# Allegro board SSOM_K1_Layout.brd (continued)
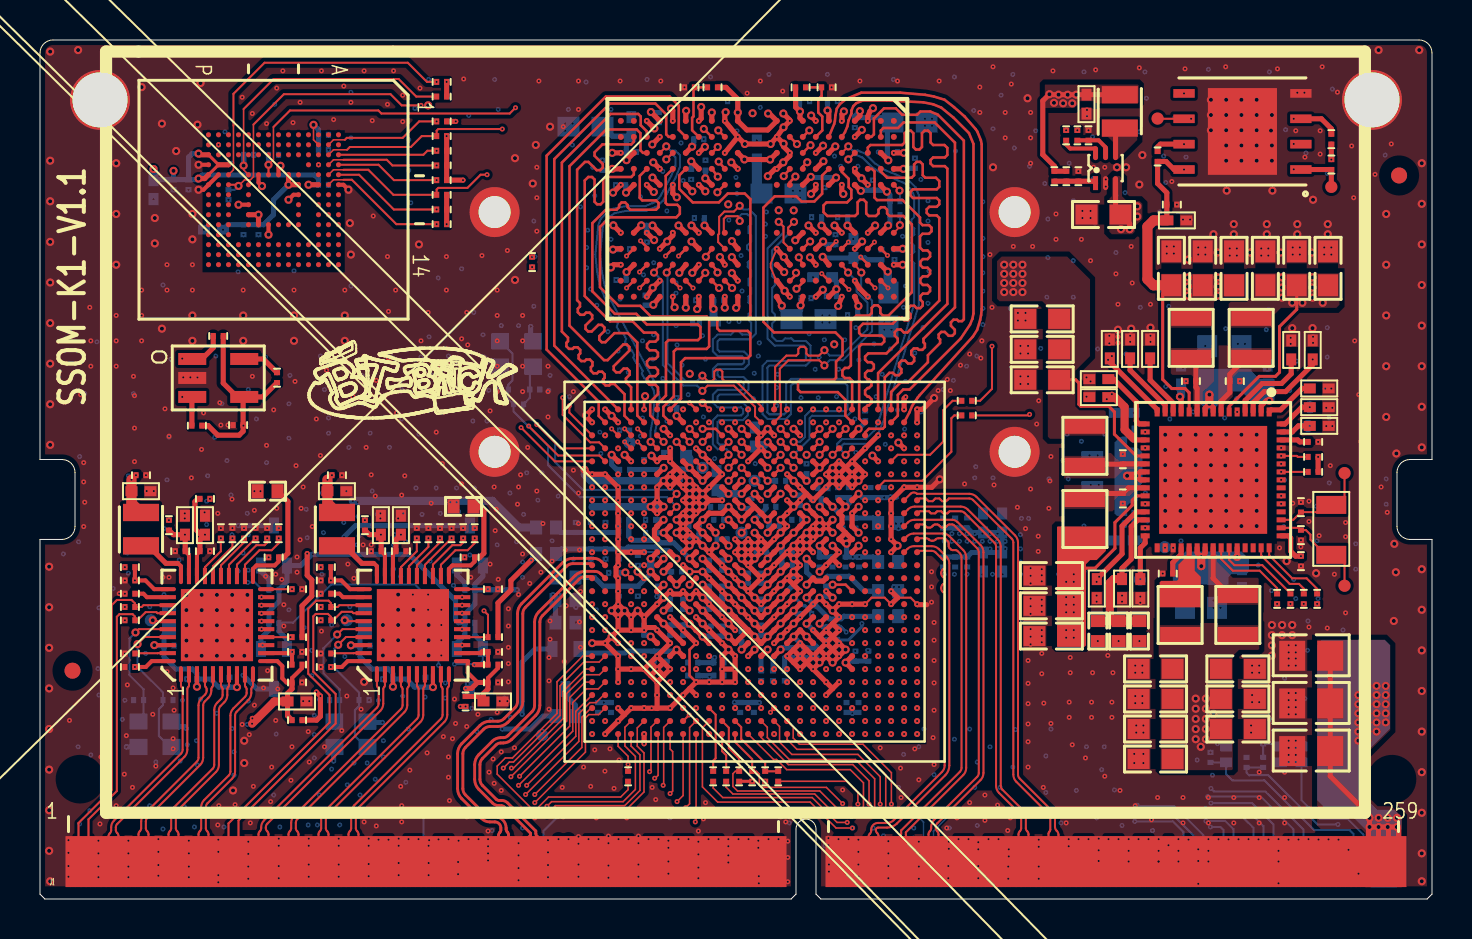
[diagram p0: board, top side]
## Routing (per net, layer and track width the routed paths; a pad name or vN(x,y) marks a point on that pad's centre or on a via; arc(x,y) is an arc through that point) (continued)
PHY1_MDI2+: length 10.4
  TOP w0.102: U11.6 9.05,10.7 arc(9.06,10.65) 9.08,10.61 9.1,10.6 arc(9.12,10.56) 9.13,10.52 9.13,10.21 arc(9.11,10.11) 9.05,10.02 8.86,9.83 arc(8.75,9.66) 8.71,9.47 8.71,6.72 arc(8.69,6.61) 8.63,6.52 6.71,4.6 arc(6.6,4.43) 6.56,4.24 6.56,3.55 arc(6.54,3.47) 6.5,3.4 6.48,3.39 arc(6.44,3.32) 6.42,3.24 J1.21
PHY1_MDI2-: length 10.4
  TOP w0.102: U11.7 9.45,10.7 arc(9.44,10.65) 9.41,10.61 9.4,10.6 arc(9.37,10.56) 9.36,10.52 9.36,10.21 arc(9.33,10.02) 9.22,9.85 9.03,9.66 arc(8.97,9.57) 8.95,9.47 8.95,6.72 arc(8.91,6.52) 8.8,6.36 6.87,4.43 arc(6.81,4.34) 6.79,4.24 6.79,3.55 arc(6.81,3.47) 6.85,3.4 6.87,3.39 arc(6.91,3.32) 6.93,3.24 J1.23
PHY1_MDI3+: length 10.3
  TOP w0.102: U11.9 10.25,10.7 arc(10.26,10.65) 10.28,10.61 10.3,10.6 arc(10.32,10.56) 10.33,10.52 10.33,10.32 arc(10.31,10.21) 10.25,10.12 9.67,9.54 arc(9.56,9.38) 9.52,9.18 9.52,6.38 arc(9.5,6.28) 9.44,6.19 8.21,4.96 arc(8.1,4.79) 8.06,4.6 8.06,3.54 arc(8.04,3.47) 8,3.4 7.98,3.39 arc(7.94,3.32) 7.93,3.24 J1.27
PHY1_MDI3-: length 10.3
  TOP w0.102: U11.10 10.65,10.7 arc(10.64,10.65) 10.61,10.61 10.6,10.6 arc(10.57,10.56) 10.57,10.52 10.57,10.32 arc(10.53,10.12) 10.42,9.96 9.83,9.38 arc(9.77,9.29) 9.75,9.18 9.75,6.38 arc(9.71,6.19) 9.6,6.02 8.37,4.79 arc(8.31,4.7) 8.29,4.6 8.29,3.54 arc(8.31,3.47) 8.35,3.4 8.37,3.39 arc(8.41,3.32) 8.42,3.24 J1.29
PHY1_NINT_3V3: length 5.6
  TOP w0.203: U11.31 5.71,15.51 5.27,15.95 v1(4.74,15.95) R176.2
  L3 w0.406: v1(4.74,15.95) 4.8,16 v2(4.8,16.81)
  L6 w0.254: v4(9.91,18.69) 9.65,18.69 v2(9.55,18.79)
  BOTTOM w0.254: Q12.3 v4(9.91,18.69)
PHY1_NRST_3V3: length 7
  TOP w0.203: U11.12 12.54,12.31 v7(12.6,12.37) R172.2
  L2 w0.254: v8(10.67,12.12) 12.35,12.12 v7(12.6,12.37)
  L3 w0.254: v2(10.16,11.56) 10.24,11.56 10.67,11.99 v8(10.67,12.12)
  L6 w0.254: v4(10.16,11.2) v2(10.16,11.56)
  BOTTOM w0.254: Q11.3 10.85,10.52 v4(10.16,11.2)
PHY1_REG_OUT: length 2.9
  TOP w0.203: U11.30 7.05,16.66 6.91,16.8 6.87,16.8
  TOP w0.254: 6.87,16.8 6.3,16.8 5.42,17.68 L11.1
PHY1_RSET: length 1.7
  TOP w0.102: U11.39 5.89,12.31 5.88,12.3 4.76,12.3 R164.2
PHY1_VDD1V0: length 4.2
  TOP w0.254: v1(4.8,21.22) v1(4.57,20.99)
  TOP w0.508: L11.2 4.57,19.83 C259.1 v1(4.57,20.99)
  L3 w0.254: v1(4.57,20.99) v1(4.8,21.22) v2(5.2,21.22) ; v2(10.17,20.41) v1(10.72,20.41) v1(11.02,20.41)
  L6 w0.254: v4(6.45,14.5) v2(6.02,14.5)
PHY1_VDDIO: length 9.4
  TOP w0.203: C258.2 7.85,17.26 U11.28
  TOP w0.254: R208.1 7.89,20.03 7.75,19.89 7.75,18.53 8.04,18.24 v1(8.25,18.24) 8,17.99 C258.2
  L3 w0.406: v1(11.94,18.56) 11.94,18.85 11.43,19.35 8.96,19.35 8.25,18.64 v1(8.25,18.24)
PHY1_XTALIN: length 6.7
  TOP w0.102: v5(4.78,13.34) 4.94,13.51 U11.36
  BOTTOM w0.102: v5(4.78,13.34) 4.47,13.04 4.47,11.21 5.18,10.5 C253.2 5.18,9.14 Y4.3
PHY1_XTALOUT: length 7.7
  TOP w0.102: v5(4.88,12.76) 5.23,13.12 6.38,13.12 U11.37
  BOTTOM w0.102: v5(4.88,12.76) 4.88,11.62 6.15,10.34 C252.2 6.15,9.71 5.94,9.5 5.94,8.16 6.49,7.61 Y4.1
PI2C_SCL: length 44.8
  TOP w0.076: v1(39.93,4.47) 38.99,5.41 34.87,5.41 34.65,5.64 34.65,6.27 34.76,6.39 R11.1
  TOP w0.102: U1.AE11 34.44,8.57 34.44,7.55 34.96,7.04 R11.1
  L3 w0.076: v1(39.93,4.47) 39.93,4.42 v2(40.13,4.22)
  L3 w0.102: v1(63.86,14.77) v2(63.86,14.43)
  L5 w0.102: v2(63.86,14.43) 63.58,14.15 63.58,8.74 62.26,7.42 59.89,7.42 57.02,4.55 48.9,4.55 45.47,1.12 41.81,1.12 40.49,2.44 40.49,3.81 40.13,4.17 v2(40.13,4.22)
PI2C_SDA: length 42.3
  TOP w0.076: v1(40.13,4.78) 39.32,5.59 36.07,5.59 35.97,5.69 35.97,6.25 35.82,6.39 R12.1
  TOP w0.102: U1.AF12 34.76,7.86 35.61,7 R12.1
  L3 w0.076: v1(40.13,4.78) 40.28,4.78 v2(40.44,4.62)
  L3 w0.102: v1(63.19,14.77) v2(63.19,14.43)
  L5 w0.102: v2(63.19,14.43) 63.27,14.35 63.27,8.94 62,7.67 59.74,7.67 56.95,4.88 48.77,4.88 45.26,1.37 41.99,1.37 40.84,2.51 40.84,4.22 v2(40.44,4.62)
PMIC_32K_OUT: length 54.6
  TOP w0.076: R13.1 40.33,5.89 40.89,5.33 v1(40.89,4.75)
  L3 w0.076: 41.92,1.52 41.61,1.83 41.61,3.48 40.89,4.19 v1(40.89,4.75)
  L3 w0.102: v1(62.06,19.78) 62.65,20.37 65.28,20.37 65.68,19.96 65.68,14.12 64.16,12.6 64.16,5.13 64.62,4.67 64.62,3.84 65.25,3.2 65.25,2.77 64.01,1.52 41.92,1.52
PMIC_INT_N: length 3.4
  TOP w0.102: U1.AD10 33.46,9.56 33.78,9.23 33.78,7.05 33.66,6.92 R15.2
PMIC_INT_OUTN: length 61.3
  TOP w0.076: v1(40.36,3.84) 39.85,3.84 38.61,5.08 34.14,5.08 33.66,5.56 R15.1
  TOP w0.102: v1(62.06,21.38) R73.1
  L3 w0.076: v1(40.36,3.84) 40.74,3.84 41.25,3.33 41.25,1.58 41.71,1.12
  L3 w0.102: v1(62.06,21.38) 62.2,21.23 65.84,21.23 66.85,20.22 66.85,13.51 65.23,11.89 65.23,4.01 65.79,3.45 65.79,2.31 64.59,1.12 41.71,1.12
PMIC_RST_OUTN: length 20.1
  TOP w0.102: R74.1 62.89,22.13 62.84,22.18 v1(62.06,22.18)
  L3 w0.102: v1(62.06,22.18) v2(62.48,22.18)
  L6 w0.102: v4(61.16,7.77) 61.52,8.13 61.52,11.1 64.62,14.2 64.62,20.08 62.52,22.18 v2(62.48,22.18)
  BOTTOM w0.102: R98.2 v4(61.16,7.77) 61.92,7.77 D1.1
PRI_TRST_N: length 16.4
  TOP w0.076: U1.Y1 27.14,12.16 25.85,10.87 25.85,9.29 23.62,7.06 23.27,7.06 22.86,6.65 22.86,6.25 24.59,4.52 24.84,4.52 25.43,5.11 29.03,5.11 29.4,5.48 R18.2
QSPI_CLK: length 23.8
  TOP w0.102: TP14.1 55.89,39.05 U8.6 ; R16.2 49.43,24.21 v1(49.48,24.26)
  L3 w0.102: v1(49.48,24.26) 49.63,24.26 v2(49.8,24.42) ; v2(58.01,39.05) v1(57.56,39.05)
  L6 w0.102: v2(49.8,24.42) 49.78,24.43 49.78,25.02 58.88,34.11 58.88,37.52 58.01,38.38 v2(58.01,39.05)
QSPI_CS1: length 30.2
  TOP w0.254: U8.1 R94.1 TP15.1
  L3 w0.102: v1(62.69,36.53) 62.08,35.92 58.2,35.92 v2(58.06,36.05) ; v1(42.56,20.61) 42.86,20.91 v2(42.88,20.91)
  L6 w0.102: v2(42.88,20.91) 43.39,20.91 47.37,24.89 48.64,24.89 57.81,34.06 57.81,35.8 v2(58.06,36.05)
QSPI_DATA0: length 59.2
  L3 w0.102: v2(57.5,39.88) 57.5,40.03 v1(57.2,40.32) ; v1(43.86,21.26) v2(44.25,21.26)
  L6 w0.102: v3(44.25,20.7) v2(44.25,21.26) 47.5,24.51 48.77,24.51 58.52,34.26 58.52,37.36 57.5,38.38 v2(57.5,39.88)
  L7 w0.102: v6(65.17,3) 64.14,4.04 64.14,8.46 52.12,20.47 44.48,20.47 v3(44.25,20.7)
  BOTTOM w0.102: J1.248 v6(65.17,3)
QSPI_DATA1: length 63.4
  L3 w0.102: v1(62.69,37.8) 62.69,37.03 61.87,36.22 58.47,36.22 v2(58.06,36.63) ; v1(42.56,21.26) v2(42.29,20.99)
  L6 w0.102: v3(42.29,20.64) v2(42.29,20.99) 42.57,21.27 43.28,21.27 47.29,25.27 48.51,25.27 57.56,34.32 57.56,36.12 v2(58.06,36.63)
  L7 w0.102: v3(42.29,20.64) 42.86,20.64 43.37,20.13 52.13,20.13 63.69,8.57 63.69,3.98 v6(64.68,3)
  BOTTOM w0.102: J1.246 v6(64.68,3)
QSPI_DATA2: length 67.8
  TOP w0.254: R93.1 64.57,38.56 64.07,39.05 U8.3
  L3 w0.102: v2(58.06,37.17) 58.76,36.47 61.75,36.47 62.28,37.01 62.28,38.65 v1(62.69,39.05) ; v8(41.91,21.26) 41.71,21.06 v2(41.71,20.91)
  L6 w0.102: v2(58.06,37.17) 57.25,36.36 57.25,34.52 48.39,25.65 47.21,25.65 44.98,23.43 43.08,21.52 42.17,21.52 41.71,21.06 v2(41.71,20.91) 41.71,20.65 v3(41.78,20.57)
  L7 w0.102: v6(64.17,2.93) 63.2,3.9 63.2,8.68 52.07,19.81 42.04,19.81 41.78,20.07 v3(41.78,20.57)
  BOTTOM w0.102: J1.244 v6(64.17,2.93)
QSPI_DATA3: length 61.8
  TOP w0.254: v1(57.2,37.78) 56.02,37.78 55.88,37.64 R95.1
  L3 w0.102: v2(41.45,21.47) 41.3,21.32 41.3,20.65 v1(41.26,20.61) ; v2(56.76,37.76) 57.18,37.76 v1(57.2,37.78)
  L6 w0.102: v3(41.45,20.37) 41.3,20.52 41.3,21.32 v2(41.45,21.47) 41.76,21.78 42.88,21.78 44.7,23.61 45.31,24.21 47.13,26.04 48.26,26.04 56.76,34.54 v2(56.76,37.76)
  L7 w0.102: v3(41.45,20.37) 41.45,20.02 41.98,19.48 52.12,19.48 62.72,8.89 62.72,3.93 v6(63.68,2.97)
  BOTTOM w0.102: J1.242 v6(63.68,2.97)
R_I2C0_SCL_3V3: length 21.8
  TOP w0.076: U1.AF13 36.68,6.99 36.83,6.99 37.34,6.48 40.51,6.48 41.17,5.82 v1(41.17,4.45)
  L3 w0.076: 42.04,1.73 41.78,1.98 41.78,3.56 41.17,4.17 v1(41.17,4.45)
  L3 w0.102: v2(52.17,1.93) 51.97,1.73 42.04,1.73
  L6 w0.102: v4(52.17,2.29) v2(52.17,1.93)
R_I2C0_SDA_3V3: length 23.7
  L3 w0.076: v8(34.76,9.56) 34.77,9.55 34.77,8.29 37.31,5.74 43.18,5.74 43.89,5.03 43.89,4.29 v2(44.4,3.78)
  L6 w0.076: v2(44.4,3.78) 44.55,3.63 44.55,2.62 45.42,1.75 50.04,1.75 50.93,2.64 52.37,2.64 52.68,2.34 v4(52.68,2.08)
RESET_IN_N: length 53
  TOP w0.076: R18.1 v1(29.4,6.74) 29.4,7.15 28.91,7.65 U1.AF3
  TOP w0.102: J1.251 v1(65.92,1.27)
  L3 w0.102: v1(29.4,6.74) 29.54,6.6 v2(29.72,6.6) ; v2(65.92,1.63) v1(65.92,1.27)
  L5 w0.102: v2(29.72,6.6) 30.48,6.6 32.31,4.78 38.86,4.78 40.13,3.51 40.13,2.24 41.5,0.86 45.8,0.86 46.91,1.98 48.84,1.98 49.68,1.14 65.44,1.14 v2(65.92,1.63)
  L6 w0.102: v4(64.9,3.73) 64.9,2.65 v2(65.92,1.63)
  BOTTOM w0.102: v4(64.9,3.73) 63.88,3.73 61.42,6.2 60.45,6.2 60.33,6.32 C226.2 R98.1
SD0_CD_3V3: length 13.1
  TOP w0.076: v1(42.29,4.5) 42.29,6.23 41.02,7.49 37.85,7.49 37.36,7.98 U1.AF16
  L3 w0.076: v2(43.23,2.16) 43.23,2.77 42.55,3.45 42.55,3.89 42.29,4.15 v1(42.29,4.5)
  L6 w0.076: v4(41.66,1.27) 41.78,1.4 42.8,1.4 43.23,1.83 v2(43.23,2.16)
  BOTTOM w0.076: J1.154 41.68,1.32 v4(41.66,1.27)
SD0_CLK: length 13.3
  TOP w0.076: U1.AE14 36.37,8.6 36.37,8.08 37.47,6.99 40.77,6.99 41.73,6.02 v1(41.73,4.45)
  L3 w0.076: v2(42.49,2.13) 42.49,2.77 42.14,3.12 42.14,3.68 41.73,4.09 v1(41.73,4.45)
  L6 w0.076: v4(40.68,1.88) 40.71,1.91 42.27,1.91 v2(42.49,2.13)
SD0_CMD: length 17.4
  L3 w0.076: v2(45.29,5.59) 45.26,5.61 45.03,5.61 43.82,6.83 37.7,6.83 36.31,8.21 36.31,9.15 36.06,9.41 v1(36.06,9.56)
  L6 w0.076: v2(45.29,5.59) 45.26,5.56 43.41,5.56 42.68,4.83 v4(42.68,3.02)
  BOTTOM w0.076: J1.158 v4(42.68,3.02)
SD0_DATA0: length 19.2
  L3 w0.076: v2(45.31,5.03) 43.71,6.63 37.64,6.63 36.16,8.11 36.16,9.05 35.82,9.39 35.82,10.62 v8(36.06,10.86)
  L6 w0.076: v4(43.15,3.02) 42.9,3.28 42.9,4.75 43.48,5.33 45.01,5.33 v2(45.31,5.03)
  BOTTOM w0.076: v4(43.15,3.02) 43.17,3 J1.160
SD0_DATA1: length 12.5
  TOP w0.076: U1.AF14 36.06,8.09 37.41,6.73 40.64,6.73 41.45,5.92 v1(41.45,4.75)
  L3 w0.076: v1(41.45,4.75) 41.45,4.11 41.96,3.61 41.96,2.79 v2(42.14,2.62)
  L6 w0.076: v4(40.17,1.88) 40.46,2.16 41.91,2.16 42.14,2.39 v2(42.14,2.62)
SD0_DATA2: length 20
  L3 w0.076: v1(37.36,11.51) 37.02,11.18 36.58,11.18 36.42,11.02 36.42,10.72 36.58,10.57 36.78,10.57 36.97,10.38 36.97,9.61 37.33,9.24 37.33,7.92 37.91,7.34 44.63,7.34 v2(45.31,6.65)
  L6 w0.076: v2(45.31,6.65) 44.45,5.79 43.28,5.79 42.17,4.68 v4(42.17,3.16)
  BOTTOM w0.102: J1.156 v4(42.17,3.16)
SD0_DATA3: length 13.5
  TOP w0.076: U1.AE15 36.98,8.64 36.98,7.85 37.59,7.24 40.89,7.24 42.01,6.12 v1(42.01,4.75)
  L3 w0.076: v2(42.85,2.62) 42.85,2.74 42.34,3.25 42.34,3.78 42.01,4.11 v1(42.01,4.75)
  L6 w0.076: v4(41.17,1.62) 41.2,1.65 42.62,1.65 42.85,1.88 v2(42.85,2.62)
  BOTTOM w0.076: J1.152 v4(41.17,1.62)
SDIO2_CLK: length 22.9
  TOP w0.102: J1.233 v1(61.42,2.98)
  L3 w0.102: v1(61.42,2.98) 56.53,7.87 54.51,7.87 v2(54.04,8.34) ; v1(43.21,10.86) v2(43.45,10.61)
  L6 w0.102: v2(43.45,10.61) v3(43.7,10.86) ; v2(54.04,8.34) 54.04,8.47 v3(53.85,8.66)
  L7 w0.102: v3(43.7,10.86) 43.94,10.61 51.9,10.61 v3(53.85,8.66)
SDIO2_CMD: length 24.1
  TOP w0.102: J1.231 v1(60.92,2.99)
  L3 w0.102: v1(60.92,2.99) 56.39,7.52 54.03,7.52 v2(53.29,8.26) ; v1(41.91,10.86) v2(42.15,10.61)
  L6 w0.102: v3(42.4,10.86) v2(42.15,10.61) v3(41.91,10.86) ; v2(53.29,8.26) v3(53.06,8.48)
  L7 w0.102: v3(53.06,8.48) 53.09,8.51 53.09,8.61 51.74,9.96 43.86,9.96 42.96,10.86 v3(42.4,10.86)
SDIO2_DATA0: length 20.7
  TOP w0.102: J1.223 v1(58.92,2.99)
  L3 w0.102: v1(43.86,10.21) v2(44.1,9.96) ; v2(53.8,6.02) 55.9,6.02 v1(58.92,2.99)
  L6 w0.102: v2(44.1,9.96) v3(44.35,10.21) ; v3(53.85,6.35) 53.85,6.07 v2(53.8,6.02)
  L7 w0.102: v3(53.85,6.35) 53.85,8.23 51.87,10.21 v3(44.35,10.21)
SDIO2_DATA1: length 21.7
  TOP w0.102: J1.225 v1(59.42,2.99)
  L3 w0.102: v2(51.74,8.56) 51.74,8.15 53.44,6.45 55.96,6.45 v1(59.42,2.99) ; v1(42.56,10.21) v2(42.8,9.96)
  L6 w0.102: v2(42.8,9.96) v3(43.05,10.21) ; v2(51.74,8.56) v3(51.49,8.81)
  L7 w0.102: v3(43.05,10.21) 43.05,9.8 43.88,8.97 51.33,8.97 v3(51.49,8.81)
SDIO2_DATA2: length 21.1
  TOP w0.102: J1.227 v1(59.92,2.99)
  L3 w0.102: v1(43.21,9.56) v2(43.45,9.31) ; v2(52.22,8.26) 52.22,8.1 53.52,6.81 56.11,6.81 v1(59.92,2.99)
  L6 w0.102: v2(43.45,9.31) v3(43.7,9.56) ; v2(52.22,8.26) v3(52.22,8.61)
  L7 w0.102: v3(43.7,9.56) 44.03,9.22 51.61,9.22 v3(52.22,8.61)
SDIO2_DATA3: length 20.9
  TOP w0.102: J1.229 v1(60.42,3)
  L3 w0.102: v1(43.86,9.56) v2(44.1,9.31) ; v2(52.73,8.13) 53.7,7.16 56.26,7.16 v1(60.42,3)
  L6 w0.102: v2(44.1,9.31) v3(44.35,9.56) ; v3(52.63,8.46) 52.63,8.23 v2(52.73,8.13)
  L7 w0.102: v3(44.35,9.56) 51.76,9.56 52.63,8.69 v3(52.63,8.46)
SLEEP_OUT: length 58.6
  TOP w0.076: R17.1 34.31,5.6 34.65,5.26 38.73,5.26 39.85,4.14 v1(40.56,4.14)
  TOP w0.102: J1.249 v1(65.43,2.46)
  L3 w0.076: v1(40.56,4.14) 40.72,4.14 41.43,3.43 41.43,1.69 41.79,1.32
  L3 w0.102: 41.79,1.32 64.28,1.32 v1(65.43,2.46) 65.53,2.57 65.53,3.3 64.92,3.91 64.92,12.19 66.45,13.72 66.45,20.17 65.63,20.98 v1(62.06,20.98)
SLEEP_OUT_1: length 2
  TOP w0.102: R17.2 34.31,7.2 34.11,7.4 U1.AF11
SW_PWRON: length 10.4
  BOTTOM w0.102: J1.250 65.68,3.26 65.48,3.45 63.7,3.45 61.21,5.94 59.61,5.94 59.3,6.26 D2.2 R99.2
SW_RST: length 8.1
  BOTTOM w0.102: J1.252 66.17,3.22 65.38,4.01 64.01,4.01 63.07,4.95 D3.2 D1.2
TP_INT_1V8: length 113.7
  TOP w0.102: U1.C1 26.47,24.35 v1(26.47,24.69)
  L3 w0.102: v2(21.49,28.8) 22.56,27.74 22.91,27.74 25.93,24.71 26.44,24.71 v1(26.47,24.69)
  L6 w0.102: v4(53.68,1.88) 54.39,2.59 56.64,2.59 57.05,2.18 60.81,2.18 61.42,2.79 61.42,6.2 61.75,6.53 61.75,10.95 64.92,14.12 64.92,36.58 60.81,40.69 19.15,40.69 17.88,39.42 17.88,32.41 v2(21.49,28.8)
TP_RST_1V8: length 122.4
  TOP w0.102: U1.D1 26.03,22.56 v8(24.84,23.75)
  L3 w0.102: v8(24.84,23.75) 22.94,25.65 20.8,25.65 v2(17.81,28.65)
  L6 w0.102: v2(17.81,28.65) 17.81,28.88 16.51,30.18 16.51,39.99 18.58,42.06 61.38,42.06 66.29,37.14 66.29,13.35 63.4,10.46 63.4,3.15 61.42,1.17 54.88,1.17 v4(54.17,1.88)
UART0_RXD: length 121.5
  L3 w0.076: v8(28.91,21.26) 28.83,21.34 28.17,21.34 25.93,23.57 25.48,23.57 23.04,26.01 21.01,26.01 v2(18.34,28.68)
  L6 w0.102: v2(18.34,28.68) 18.34,28.96 16.74,30.56 16.74,39.89 18.68,41.83 61.28,41.83 66.07,37.05 66.07,13.45 63.12,10.5 63.12,3.28 61.26,1.42 55.63,1.42 v4(55.17,1.88)
UART0_TXD: length 120
  L3 w0.076: v8(29.56,21.26) 29.56,21.27 29.31,21.51 28.27,21.51 25.98,23.8 25.55,23.8 23.04,26.31 21.26,26.31 v2(18.87,28.7)
  L6 w0.102: v4(55.68,1.88) 55.87,1.68 61.16,1.68 62.84,3.35 62.84,10.54 65.84,13.54 65.84,36.95 61.19,41.61 18.77,41.61 16.97,39.8 16.97,30.94 18.87,29.03 v2(18.87,28.7)
UART2_CTS: length 21.6
  L3 w0.102: v1(42.56,11.51) v2(42.8,11.26)
  L6 w0.102: v2(42.8,11.26) v3(43.05,11.51)
  L7 w0.076: v3(43.05,11.51) 43.28,11.74 44.66,11.74 44.73,11.67
  L7 w0.102: 44.73,11.67 52.45,11.67 55.17,8.96 55.17,4.98 56.17,3.97 v6(56.17,2.96)
  BOTTOM w0.102: J1.212 v6(56.17,2.96)
UART2_RTS: length 22.8
  L3 w0.102: v1(41.91,11.51) v2(42.15,11.26)
  L6 w0.102: v2(42.15,11.26) v3(42.4,11.51)
  L7 w0.076: v3(42.4,11.51) 42.8,11.91 44.92,11.91
  L7 w0.102: 44.92,11.91 52.62,11.91 55.47,9.06 55.47,5.13 56.68,3.93 v6(56.68,2.95)
  BOTTOM w0.102: J1.214 v6(56.68,2.95)
UART2_RXD: length 20.6
  L3 w0.102: v1(43.86,10.86) v2(44.1,10.61)
  L6 w0.102: v2(44.1,10.61) v3(44.35,10.86)
  L7 w0.102: v6(54.74,3.89) 54.74,3.94 54.23,4.45 54.23,8.7 52.07,10.86 v3(44.35,10.86)
  BOTTOM w0.102: v6(54.74,3.89) 56.64,3.89 57.17,3.35 J1.216
UART2_TXD: length 23.8
  L3 w0.102: v1(41.26,11.51) v2(41.5,11.26)
  L6 w0.102: v2(41.5,11.26) v3(41.75,11.51)
  L7 w0.102: v6(54.86,4.27) 54.56,4.57 54.56,8.79 52.16,11.18 42.07,11.18 v3(41.75,11.51)
  BOTTOM w0.102: J1.218 57.68,3.18 56.59,4.27 v6(54.86,4.27)
UART5_CTS: length 18
  TOP w0.076: v1(23.57,6.55) 23.67,6.55 26.15,9.04 26.15,10.39 27.27,11.51 U1.AA1
  L3 w0.076: v1(23.57,6.55) 22.94,5.92 22.94,2.24 23.81,1.37 27.87,1.37 v2(28.17,1.07)
  L6 w0.102: v4(28.17,1.4) v2(28.17,1.07)
  BOTTOM w0.102: J1.108 v4(28.17,1.4)
UART5_RTS: length 18.5
  TOP w0.076: U1.AA2 27.97,11.23 27.27,11.23 26.33,10.29 26.33,8.91 v1(23.55,6.12)
  L3 w0.076: v1(23.55,6.12) 23.14,5.72 23.14,2.33 23.94,1.52 28.35,1.52 v2(28.7,1.17)
  L6 w0.102: v4(28.67,1.52) 28.67,1.2 v2(28.7,1.17)
  BOTTOM w0.102: J1.110 v4(28.67,1.52)
UART5_RXD: length 18.7
  TOP w0.076: U1.AB2 27.91,10.52 27.32,10.52 26.64,9.83 26.64,8.4 v1(23.93,5.69)
  L3 w0.076: v2(29.67,1.27) 29.67,1.52 29.36,1.83 24.26,1.83 23.55,2.55 23.55,5.31 v1(23.93,5.69)
  L6 w0.102: v2(29.67,1.27) v4(29.67,0.91)
  BOTTOM w0.102: J1.114 29.67,0.92 v4(29.67,0.91)
UART5_TXD: length 17.6
  TOP w0.076: v1(23.98,6.15) 26.48,8.65 26.48,10.09 27.26,10.86 U1.AB1
  L3 w0.076: v1(23.98,6.15) 23.34,5.51 23.34,2.41 24.08,1.68 28.97,1.68 v2(29.17,1.47)
  L6 w0.102: v2(29.17,1.47) v4(29.17,1.17)
  BOTTOM w0.102: J1.112 v4(29.17,1.17)
USB0_DN: length 18.5
  TOP w0.142: J1.83 v1(21.93,3)
  L3 w0.142: v8(29.56,14.76) 29.51,14.81 29.09,14.81 arc(28.82,14.86) 28.59,15.02 28.43,15.18 arc(28.28,15.27) 28.11,15.31 26.84,15.31 arc(26.67,15.27) 26.52,15.18 23.92,12.57 arc(23.82,12.42) 23.78,12.25 23.78,8.59 arc(23.73,8.32) 23.58,8.09 21.94,6.45 arc(21.84,6.31) 21.81,6.14 21.81,3.47 arc(21.82,3.41) 21.86,3.35 21.88,3.33 arc(21.91,3.28) 21.93,3.21 v1(21.93,3)
USB0_DP: length 19.6
  TOP w0.142: J1.81 v1(21.42,3)
  L3 w0.142: v1(21.42,3) 21.42,3.21 arc(21.44,3.28) 21.47,3.33 21.49,3.35 arc(21.53,3.41) 21.54,3.47 21.54,6.14 arc(21.6,6.41) 21.75,6.64 23.39,8.28 arc(23.49,8.42) 23.52,8.59 23.52,12.25 arc(23.57,12.52) 23.73,12.76 26.34,15.36 arc(26.57,15.52) 26.84,15.57 28.11,15.57 arc(28.38,15.52) 28.61,15.36 28.77,15.2 arc(28.92,15.11) 29.09,15.07 29.7,15.07 arc(29.86,15.04) 29.99,14.95 30.18,14.76 v8(30.21,14.76)
USB1_DN: length 20.1
  TOP w0.142: J1.77 v1(20.42,2.99)
  L3 w0.142: v1(20.42,2.99) 20.42,3.17 arc(20.41,3.24) 20.37,3.3 20.35,3.32 arc(20.31,3.38) 20.3,3.45 20.3,5.84 arc(20.33,6.01) 20.43,6.16 22.81,8.55 arc(22.97,8.78) 23.02,9.05 23.02,12.58 arc(23.06,12.75) 23.15,12.9 26.15,15.9 arc(26.3,15.99) 26.47,16.03 28.43,16.03 arc(28.6,15.99) 28.74,15.9 29.03,15.61 arc(29.18,15.5) 29.37,15.47 29.5,15.47 v1(29.56,15.41)
USB1_DP: length 21.2
  TOP w0.142: J1.75 v1(19.93,2.99)
  L3 w0.142: v1(19.93,2.99) 19.93,3.2 arc(19.94,3.26) 19.97,3.31 19.99,3.33 arc(20.02,3.37) 20.03,3.43 20.03,5.84 arc(20.09,6.12) 20.24,6.35 22.63,8.73 arc(22.72,8.88) 22.76,9.05 22.76,12.58 arc(22.81,12.86) 22.97,13.09 25.96,16.08 arc(26.19,16.24) 26.47,16.29 28.43,16.29 arc(28.7,16.24) 28.93,16.08 29.21,15.8 arc(29.29,15.75) 29.37,15.73 29.7,15.73 arc(29.87,15.7) 30.01,15.61 v1(30.21,15.41)
USB2_DN: length 19.9
  TOP w0.142: U1.N1 27.53,16.79 26.64,16.79 arc(26.47,16.75) 26.33,16.66 24.27,14.6 arc(24.17,14.46) 24.14,14.28 24.14,9.89 arc(24.09,9.62) 23.93,9.38 23.39,8.84 arc(23.16,8.69) 22.89,8.64 22.5,8.64 arc(22.33,8.6) 22.19,8.5 21.27,7.59 arc(21.18,7.45) 21.14,7.27 21.14,5.53 arc(21.18,5.36) 21.27,5.21 22.27,4.21 arc(22.37,4.15) 22.49,4.12 22.74,4.12 arc(23.14,3.96) 23.31,3.56 23.31,3.48 arc(23.32,3.42) 23.36,3.36 23.38,3.35 arc(23.41,3.29) 23.42,3.23 J1.89
USB2_DP: length 21
  TOP w0.142: J1.87 22.93,3.2 arc(22.94,3.26) 22.97,3.31 22.99,3.33 arc(23.03,3.39) 23.04,3.45 23.04,3.56 arc(22.95,3.77) 22.74,3.86 22.49,3.86 arc(22.27,3.9) 22.08,4.03 21.09,5.02 arc(20.93,5.25) 20.88,5.53 20.88,7.27 arc(20.93,7.55) 21.09,7.78 22,8.69 arc(22.23,8.85) 22.5,8.9 22.89,8.9 arc(23.06,8.93) 23.2,9.03 23.74,9.57 arc(23.84,9.72) 23.88,9.89 23.88,14.28 arc(23.93,14.56) 24.08,14.79 26.14,16.84 arc(26.37,17) 26.64,17.05 27.68,17.05 arc(27.89,17.01) 28.07,16.89 U1.N2
USB2_PWREN: length 36
  L3 w0.102: v8(40.61,14.11) 40.61,14.14 40.89,14.43 44.75,14.43 45.16,14.02 v2(45.16,8.53)
  L6 w0.102: v4(23.67,2.59) 24.08,2.18 31.6,2.18 31.75,2.03 34.87,2.03 38.07,5.23 41.86,5.23 43.03,6.4 43.84,6.4 44.91,7.47 44.91,8.28 v2(45.16,8.53)
  BOTTOM w0.102: J1.90 v4(23.67,2.59)
USB3_PWREN: length 32.8
  L3 w0.076: v2(44.75,6.65) 44.22,7.19 37.85,7.19 37.18,7.86 37.18,9.1 36.71,9.57 v1(36.71,10.21)
  L6 w0.102: v4(24.67,1.91) 24.7,1.93 31.5,1.93 31.65,1.78 34.95,1.78 38.15,4.98 42.06,4.98 43.13,6.05 44.15,6.05 v2(44.75,6.65)
  BOTTOM w0.102: J1.94 v4(24.67,1.91)
USB3_RXN: length 18.5
  TOP w0.142: U1.P1 27.53,16.14 27.26,16.14 arc(27.09,16.1) 26.95,16.01 25.12,14.18 arc(25.03,14.04) 24.99,13.87 24.99,9.69 arc(24.94,9.42) 24.79,9.19 23.58,7.99 arc(23.39,7.86) 23.16,7.81 23.04,7.81 arc(22.91,7.79) 22.8,7.72 22.13,7.04 arc(22.03,6.89) 22,6.72 22,5.99 arc(22.03,5.82) 22.13,5.68 22.81,4.99 arc(22.87,4.95) 22.94,4.94 23.07,4.94 arc(23.24,4.9) 23.39,4.81 24.79,3.4 24.79,3.28 arc(24.81,3.21) 24.85,3.14 24.87,3.12 arc(24.91,3.06) 24.93,2.98 J1.95
USB3_RXP: length 19.6
  TOP w0.142: J1.93 24.42,3.09 24.53,3.19 24.53,3.29 23.2,4.62 arc(23.14,4.66) 23.07,4.67 22.94,4.67 arc(22.77,4.71) 22.63,4.8 21.94,5.49 arc(21.79,5.72) 21.73,5.99 21.73,6.72 arc(21.79,7) 21.94,7.23 22.62,7.9 arc(22.81,8.03) 23.04,8.08 23.16,8.08 arc(23.29,8.1) 23.39,8.17 24.6,9.38 arc(24.7,9.52) 24.73,9.69 24.73,13.87 arc(24.78,14.14) 24.94,14.37 26.76,16.19 arc(26.99,16.35) 27.26,16.4 27.73,16.4 arc(27.9,16.37) 28.04,16.28 U1.P2
USB3_TXN: length 21.4
  TOP w0.142: J1.71 v1(18.93,3)
  L3 w0.142: v1(18.93,3) 18.93,3.21 arc(18.91,3.28) 18.88,3.33 18.86,3.35 arc(18.82,3.41) 18.81,3.47 18.81,5.57 arc(18.84,5.74) 18.94,5.89 22.05,9 arc(22.21,9.23) 22.26,9.51 22.26,12.94 arc(22.29,13.11) 22.39,13.25 25.74,16.61 arc(25.89,16.7) 26.06,16.74 29.53,16.74 v1(29.56,16.71)
USB3_TXP: length 22.6
  TOP w0.142: J1.69 v1(18.42,3)
  L3 w0.142: v1(30.21,16.71) 30.05,16.87 arc(29.9,16.97) 29.72,17 26.06,17 arc(25.79,16.95) 25.56,16.79 22.2,13.44 arc(22.05,13.21) 22,12.94 22,9.51 arc(21.96,9.34) 21.87,9.19 18.75,6.08 arc(18.6,5.85) 18.54,5.57 18.54,3.47 arc(18.53,3.41) 18.49,3.35 18.47,3.33 arc(18.44,3.28) 18.42,3.21 v1(18.42,3)
WL_DIS_N: length 30.7
  TOP w0.102: J1.237 v1(62.42,2.97)
  L3 w0.102: v2(60.05,5.56) 60.27,5.56 62.42,3.41 v1(62.42,2.97) ; v1(41.91,12.81) v2(42.15,12.56)
  L6 w0.102: v3(59.94,5.97) 60.05,5.87 v2(60.05,5.56) ; v2(42.15,12.56) v3(42.4,12.81)
  L7 w0.102: v3(59.94,5.97) 60.07,6.1 60.07,9.62 54.83,14.86 43.84,14.86 42.72,13.74 42.72,13.14 v3(42.4,12.81)
WL_REG_ON: length 117.7
  TOP w0.102: v1(24.05,23.6) 25.74,21.91 U1.E1 ; J1.239 v1(62.92,2.98)
  L3 w0.102: v1(24.05,23.6) 22.71,24.94 20.42,24.94 v2(16.74,28.63) ; v2(63.27,2.31) 63.27,2.63 v1(62.92,2.98)
  L6 w0.102: v2(63.27,2.31) 64.14,3.17 64.14,10.55 66.75,13.16 66.75,37.33 61.57,42.52 18.39,42.52 16.05,40.18 16.05,29.31 v2(16.74,28.63)
WL_WAKE_AP: length 113.9
  TOP w0.102: J1.245 v1(64.42,2.99)
  L3 w0.076: v1(30.21,21.26) 30.2,21.26 29.77,21.69 28.35,21.69 26.01,24.03 25.63,24.03 23.01,26.64 21.49,26.64 19.86,28.27 v2(19.86,28.73)
  L3 w0.102: v2(62.41,5.71) 62.41,5 v1(64.42,2.99)
  L6 w0.102: v2(62.41,5.71) 62.53,5.84 62.53,10.59 65.61,13.67 65.61,36.86 61.09,41.38 18.87,41.38 17.2,39.71 17.2,31.39 v2(19.86,28.73)
XI_PAD: length 12.8
  TOP w0.089: U1.H7 31.51,19.96 v5(31.83,20.28)
  BOTTOM w0.102: v5(31.83,20.28) 31.63,20.48 27.14,20.48 25.76,21.87 25.76,22.83 24.18,24.41 R19.2 24.49,25.08 C107.2 24.49,26.48 Y1.1
XO_PAD: length 15.1
  TOP w0.089: v5(31.83,19.63) 31.51,19.31 U1.J7
  BOTTOM w0.102: v5(31.83,19.63) 31.35,20.11 27.01,20.11 25.4,21.72 25.4,22.68 23.68,24.41 R19.1 23.41,25.03 C108.2 23.41,25.75 23.62,25.96 23.62,27.3 Y1.3
N17305244: length 5.7
  TOP w0.102: R1.2 45.63,24.94 45.16,24.47 45.16,22.89 44.5,22.24 42.88,22.24 U1.E24
N17305702: length 0.9
  TOP w0.127: U1.F14 v5(36.38,20.93)
  BOTTOM w0.254: R2.1 36.38,20.94 v5(36.38,20.93)
N17305718: length 0.5
  TOP w0.127: U1.G14 36.06,20.61 v5(35.73,20.94)
N17305731: length 0.5
  TOP w0.127: U1.E9 v5(33.13,21.59)
N17305747: length 14.1
  L3 w0.076: v8(33.46,22.56) 33.46,23.01 33.26,23.21 30.97,23.21
  L3 w0.102: 30.97,23.21 25.15,29.03 25.15,31.09 v8(24.61,31.63)
N17570956: length 1.1
  TOP w0.254: U1.Y15 v5(37.03,12.48)
  BOTTOM w0.254: C103.2 37.12,12.57 v5(37.03,12.48)
N17570970: length 0.9
  TOP w0.254: U1.W13 v5(35.08,12.48)
  BOTTOM w0.254: C102.2 v5(35.08,12.48)
N17570976: length 5.7
  TOP w0.254: U1.M9 v5(32.48,17.03) U1.N9 ; U1.P9 v5(32.48,15.73)
  BOTTOM w0.254: R9.1 R10.1 29.44,18.14 29.62,17.95 30.91,17.95 31.03,17.83 31.68,17.83 v5(32.48,17.03)
N17570992: length 1.7
  TOP w0.254: U1.Y14 v5(36.38,12.48)
  BOTTOM w0.254: v5(36.38,12.48) U1.Y14 C101.2
N17571044: length 0.9
  TOP w0.254: U1.J19 v5(38.98,19.63)
  BOTTOM w0.254: C100.2 39.07,19.72 v5(38.98,19.63)
N19150023: length 3.1
  TOP w0.254: U5.38 58.66,16.05 59.48,15.23 59.89,15.23
N19150163: length 2.7
  TOP w0.254: U5.35 57.46,15.38 57.31,15.23 57.01,15.23
N19150295: length 3.5
  TOP w0.254: U5.7 59.06,24.92 59.49,25.35 C141.2 59.49,26.27 60.3,27.08 60.56,27.08
N19150407: length 2.8
  TOP w0.254: 57.56,27.08 57.79,26.84 C142.2 57.79,25.62 57.86,25.55 U5.10
N19150503: length 3.2
  TOP w0.254: 52.25,20.03 52.52,20.3 C150.2 54.42,20.58 U5.24
N19150649: length 3.1
  TOP w0.254: 52.25,21.68 52.33,21.77 C156.2 54.16,21.78 U5.21
N19150719: length 1.3
  L3 w0.254: v1(55.26,22.58) v2(55.02,22.82)
  L6 w0.254: v4(54.71,23) 54.84,23 v2(55.02,22.82)
  BOTTOM w0.254: R57.1 v4(54.71,23)
N19151362: length 1.4
  TOP w0.254: U5.58 62.89,22.98 62.99,22.88 C176.1
N19151393: length 3.7
  TOP w0.102: R71.1 63.86,15.53 63.33,16.05 62.61,16.05 61.46,17.21 U5.45
N19151422: length 3.5
  TOP w0.102: R72.1 63.19,15.53 62.95,15.77 62.48,15.77 61.06,17.2 U5.44
